# Altium PCB ZYNQ_JTY_16CH.PcbDoc (part 3 of 5)
Units mm, origin at the board's own origin, x right, y up, seen from the top; angles counter-clockwise.
Board outline 164 x 124.5 mm, 4 copper layers (Top1, GND2, PWR3, Bottom4), stack 0.568 mm thick; 525 components, 438 nets, 2202 pads, 1379 vias.
Unrouted connection lines stored in the file: 13.
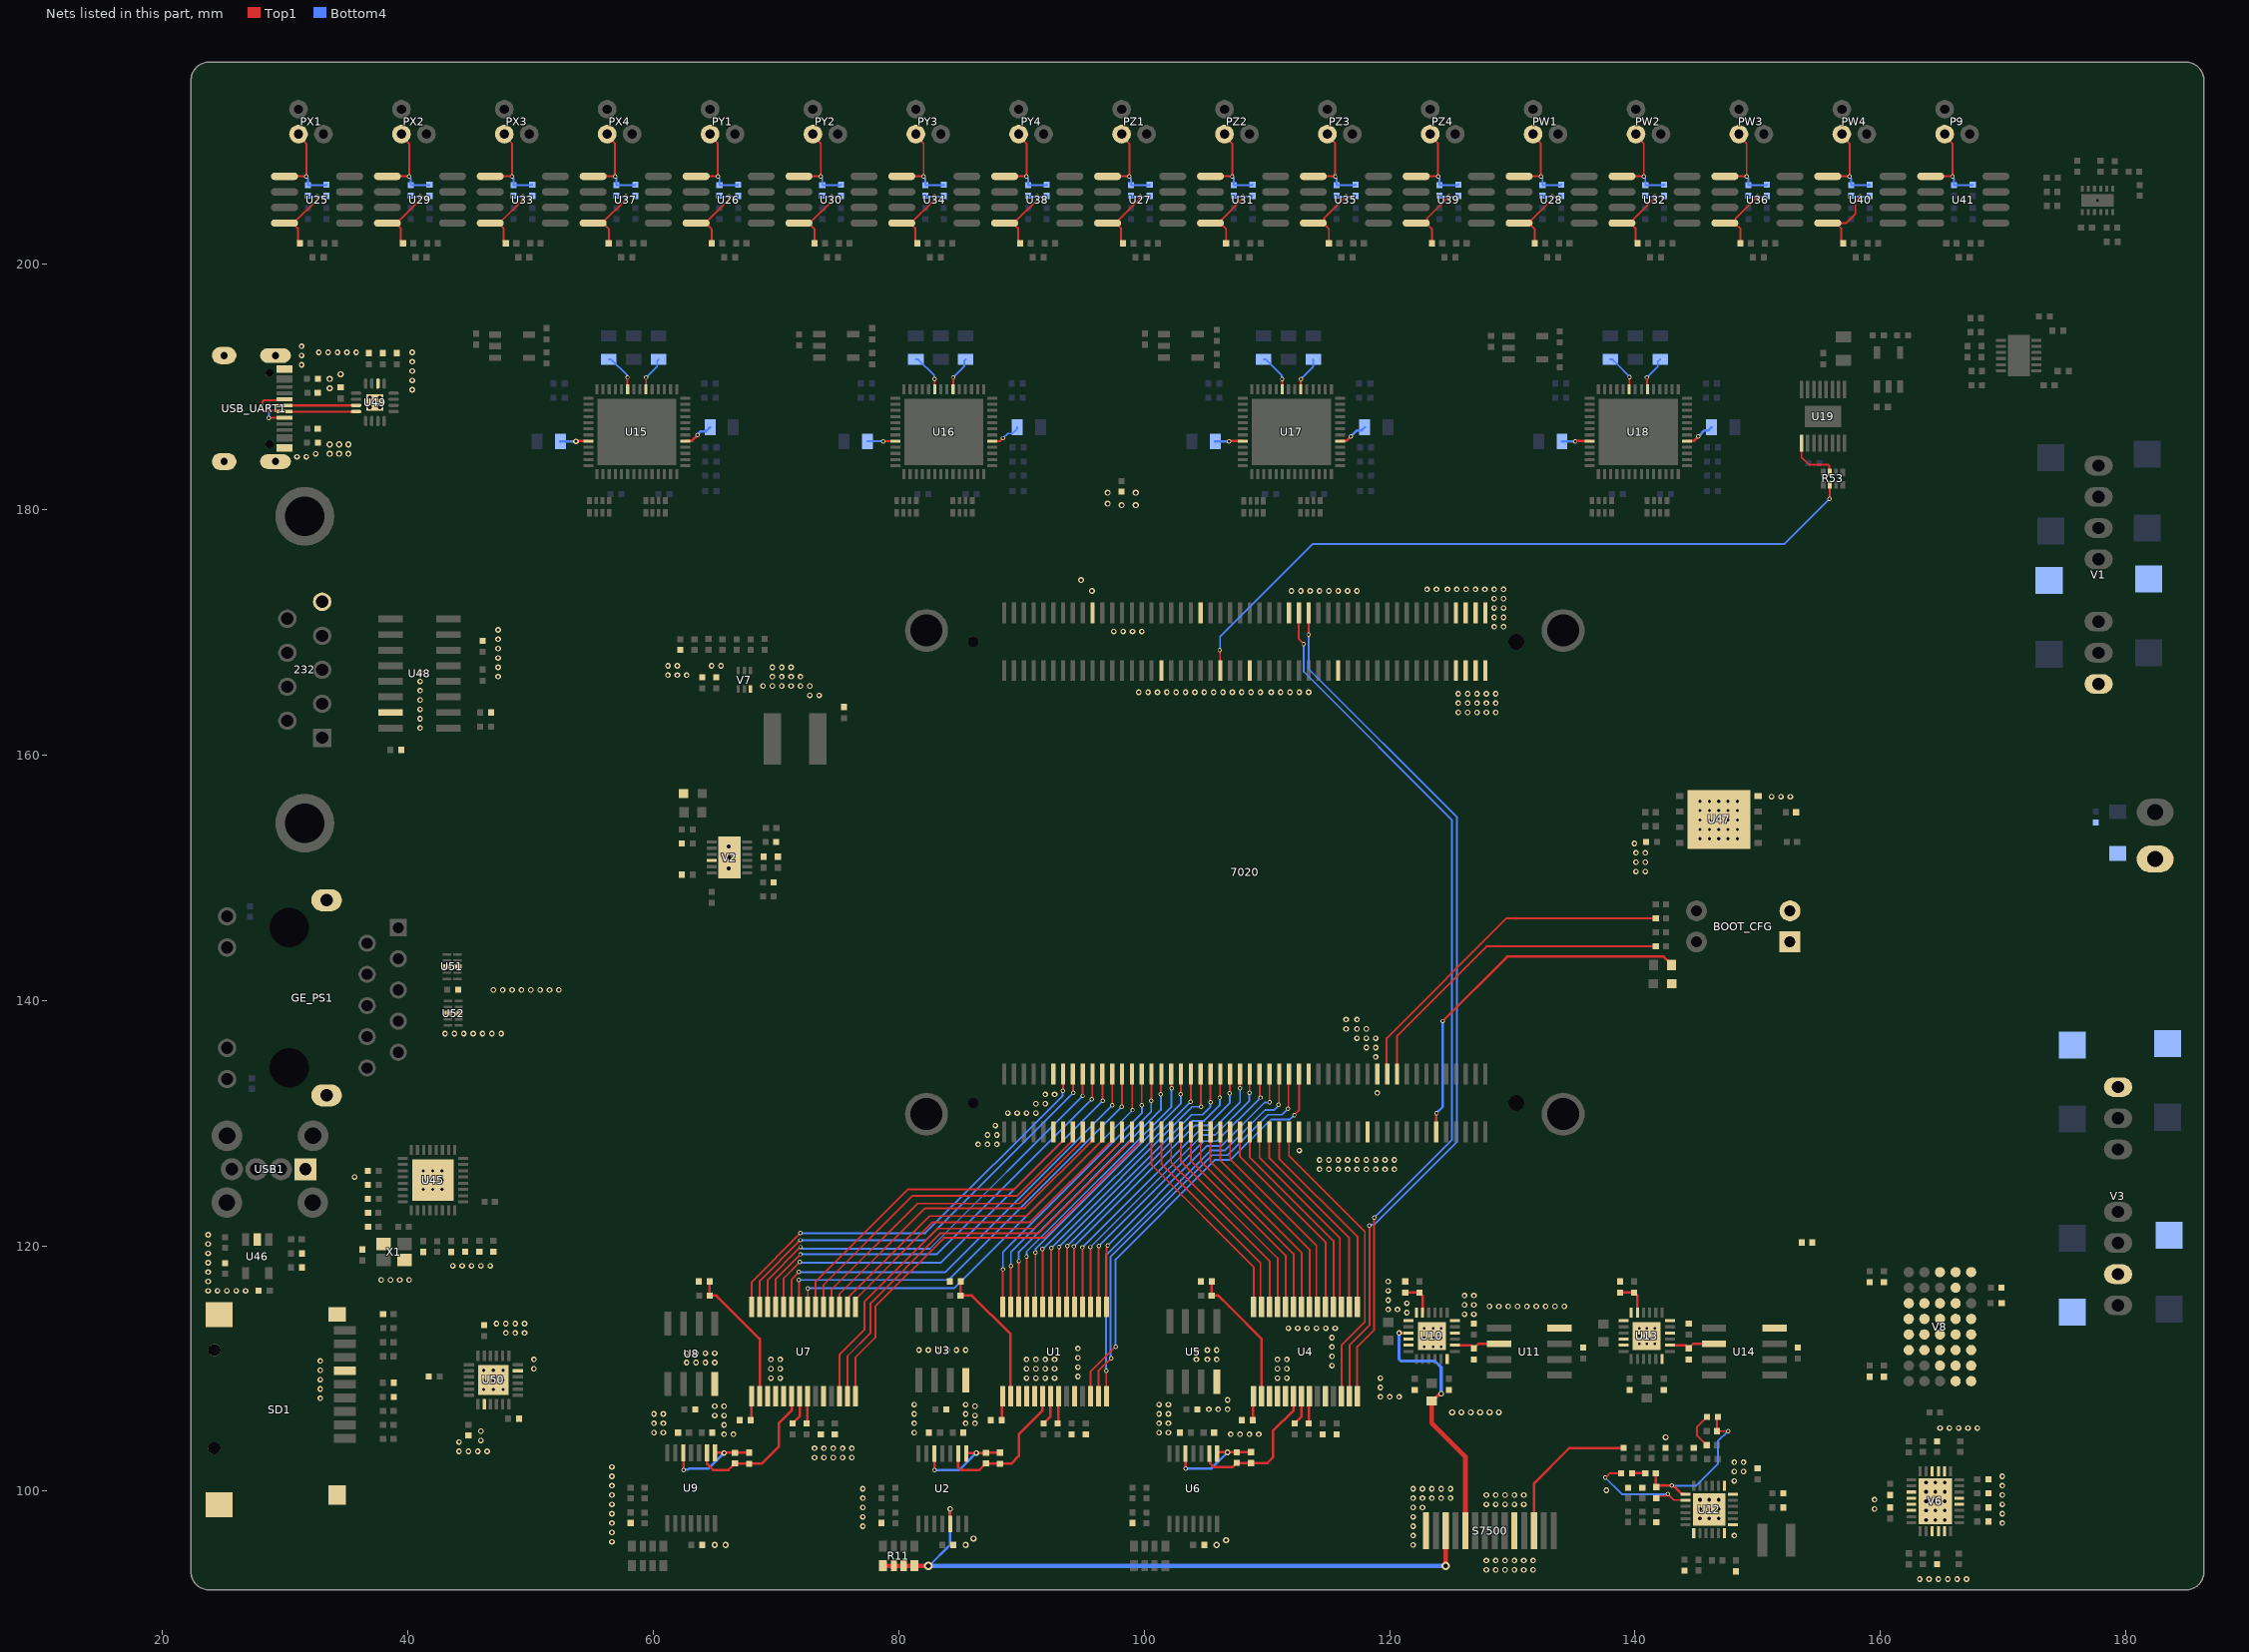
[diagram p5: the nets of this part, all layers, seen from the top]

## Via types
v1: diameter 0.457, hole 0.254, Top1 to Bottom4, tented both sides, 707 vias
v2: diameter 0.356, hole 0.203, Top1 to Bottom4, tented both sides, 314 vias
v3: diameter 0.559, hole 0.305, Top1 to Bottom4, tented both sides, 261 vias
v4: diameter 0.508, hole 0.279, Top1 to Bottom4, tented both sides, 40 vias
v5: diameter 0.66, hole 0.356, Top1 to Bottom4, tented both sides, 18 vias
v6: diameter 0.711, hole 0.381, Top1 to Bottom4, tented both sides, 14 vias
v7: diameter 0.61, hole 0.305, Top1 to Bottom4, tented both sides, 12 vias
v8: diameter 0.61, hole 0.254, Top1 to Bottom4, tented both sides, 9 vias
v9: diameter 0.508, hole 0.305, Top1 to Bottom4, tented both sides, 4 vias

## Nets (pads, with @x,y where several pads share a name; then routed paths per layer and width w, separated by ;. In a path a pad name is that pad's centre, name@x,y a point inside that pad or via, vN(x,y) a via of type N, cw(c..) or ccw(c..) an arc to the next point about the centre after c; other vN are vias at no path point) (continued)
AGND2: C1.2 C5.1 C6.1 C7.1 C8.1 C9.1 C10.1 C11.2 C15.1 C16.1 C17.1 C18.1 C19.1 C20.1 C21.2 C25.1 C26.1 C27.1 C28.1 C29.1 C30.1 C31.2 C34.1 C35.1 C36.1 C38.1 C39.1 C40.2 C41.1 C42.2 C43.1 C44.1 C45.1 C46.1 C47.1 C48.1 C49.1 C50.1 C51.1 C213.1 C214.1 C215.1 C216.1 C226.2 C227.2 C228.2 C229.2 C230.2 C262.1 C263.1 E5.2 E6.2 R9.1 R10.1 R14.1 R18.1 R19.1 R26.1 R27.1 R32.1 R34.1 R48.1 R49.1 R123.1 R124.1 R138.1 S7500.5 S7500.14 U1.17 U1.18 U1.19 U1.24 U3.4 U4.17 U4.18 U4.19 U4.24 U5.4 U7.17 U7.18 U7.19 U7.24 U8.4 U10.1 U10.4 U10.5 U10.12 U10.16 U10.18 U10.24 U10.25 U11.4 U12.7 U12.12 U12.13 U12.18 U12.19 U12.25 U13.1 U13.4 U13.5 U13.12 U13.16 U13.18 U13.24 U13.25 U14.4 V3.7 V6.3 V6.4 V6.5 V6.6 V6.11 V6.12 V6.13 V6.18 V6.19 V6.24 V6.25 V6.26 V6.29 V8.A1 V8.A2 V8.B1 V8.B2 V8.B3 V8.C1 V8.C2 V8.C3 V8.C4 V8.C5 V8.D1 V8.D2 V8.D3 V8.D4 V8.D5 V8.E1 V8.E2 V8.E3 V8.E4 V8.E5 V8.F2 V8.F3 V8.F4 V8.F5 V8.G2 V8.H1 V8.H2 V8.H3
  other v1: 163.195,92.837 163.957,92.837 164.719,92.837 165.481,92.837 166.243,92.837 167.005,92.837 127.889,93.599 128.651,93.599 129.413,93.599 130.175,93.599 130.937,93.599 131.699,93.599 127.889,94.361 128.651,94.361 129.413,94.361 130.175,94.361 130.937,94.361 131.699,94.361 121.92,95.631 56.642,95.885 121.92,96.393 148.082,96.393 56.642,96.647 77.089,97.155 121.92,97.155 56.642,97.409 169.926,97.409 77.089,97.917 121.92,97.917 56.642,98.171 169.926,98.171 159.512,98.552 77.089,98.679 121.92,98.679 122.682,98.679 56.642,98.933 127.889,98.933 128.651,98.933 129.413,98.933 130.175,98.933 130.937,98.933 169.926,98.933 159.512,99.314 77.089,99.441 121.92,99.441 122.682,99.441 123.444,99.441 124.206,99.441 124.968,99.441 56.642,99.695 127.889,99.695 128.651,99.695 129.413,99.695 130.175,99.695 130.937,99.695 169.926,99.695 137.668,100.076 77.089,100.203 121.92,100.203 122.682,100.203 123.444,100.203 124.206,100.203 124.968,100.203 56.642,100.457 169.926,100.457 148.082,100.838 56.642,101.219 169.926,101.219 148.082,101.6 148.844,101.6 56.642,101.981 148.082,102.362 148.844,102.362 73.152,102.743 73.914,102.743 74.676,102.743 75.438,102.743 76.2,102.743 73.152,103.505 73.914,103.505 74.676,103.505 75.438,103.505 76.2,103.505 65.786,104.648 66.548,104.648 107.061,104.648 107.823,104.648 108.585,104.648 109.347,104.648 60.071,104.775 60.833,104.775 81.28,104.775 101.219,104.775 101.981,104.775 164.846,105.156 165.608,105.156 166.37,105.156 167.132,105.156 167.894,105.156 65.786,105.41 60.071,105.537 60.833,105.537 81.28,105.537 85.471,105.537 86.233,105.537 101.219,105.537 101.981,105.537 65.024,106.172 65.786,106.172 86.233,106.172 60.071,106.299 60.833,106.299 81.28,106.299 85.471,106.299 101.219,106.299 101.981,106.299 105.283,106.68 106.045,106.68 106.807,106.68 65.024,106.934 65.786,106.934 86.233,106.934 81.28,107.061 85.471,107.061 101.219,107.061 101.981,107.061 106.807,107.442 119.253,107.696 120.015,107.696 120.777,107.696 119.253,108.458 69.596,109.22 70.358,109.22 90.424,109.22 91.186,109.22 91.948,109.22 92.71,109.22 110.871,109.22 111.633,109.22 119.253,109.22 94.615,109.347 69.596,109.982 70.358,109.982 90.424,109.982 91.186,109.982 91.948,109.982 92.71,109.982 110.871,109.982 111.633,109.982 94.615,110.109 115.316,110.236 62.738,110.49 63.5,110.49 64.262,110.49 65.024,110.49 69.596,110.744 70.358,110.744 90.424,110.744 91.186,110.744 91.948,110.744 92.71,110.744 104.267,110.744 105.156,110.744 105.918,110.744 110.871,110.744 111.633,110.744 94.615,110.871 115.316,110.998 62.738,111.252 63.5,111.252 64.262,111.252 65.024,111.252 81.661,111.506 82.423,111.506 83.185,111.506 83.947,111.506 84.709,111.506 85.471,111.506 104.267,111.506 105.156,111.506 105.918,111.506 94.615,111.633 115.316,111.76 115.316,112.522 111.76,113.284 112.522,113.284 113.284,113.284 114.046,113.284 114.808,113.284 115.57,113.284 126.111,114.427 126.873,114.427 121.412,114.554 119.888,114.808 120.65,114.808 128.143,115.062 128.905,115.062 129.667,115.062 130.429,115.062 131.191,115.062 131.953,115.062 132.715,115.062 133.477,115.062 134.239,115.062 126.111,115.189 126.873,115.189 121.412,115.316 119.888,115.57 126.111,115.951 126.873,115.951 119.888,116.332 119.888,117.094
  other v2: 122.809,111.76 123.571,111.76 124.206,111.76 140.335,112.014 140.97,112.014 141.605,112.014 122.809,112.522 123.571,112.522 124.206,112.522 140.335,112.649 140.945,112.649 141.605,112.649 122.809,113.284 123.571,113.284 124.206,113.284 140.335,113.284 140.97,113.284 141.605,113.284
  other v3: 163.703,97.663 164.465,97.663 165.227,97.663 145.288,97.79 146.05,97.79 146.812,97.79 163.703,98.425 164.465,98.425 165.227,98.425 146.038,98.514 145.288,98.552 146.812,98.552 163.703,99.187 164.465,99.187 165.227,99.187 145.288,99.314 146.05,99.314 146.812,99.314 163.703,99.949 164.465,99.949 165.227,99.949 163.703,100.711 164.465,100.711 165.227,100.711
  other v4: 65.024,95.631 65.913,95.631 85.471,95.631 105.918,95.631 106.68,96.012 86.106,96.139 142.494,104.394 125.095,106.426 125.857,106.426 126.619,106.426 127.381,106.426 128.143,106.426 128.905,106.426
BOOT_MODE1: 7020.J2_79 R4.2 | length 28.9
  Top1 w0.152: 7020.J2_79@119.811,133.985 119.761,134.035 119.761,136.906 129.54,146.685 R4.2@141.688,146.685
BOOT_MODE2: 7020.J2_81 R3.2 | length 27.2
  Top1 w0.152: 7020.J2_81@120.612,133.985 120.612,137.122 127.889,144.399 R3.2@141.688,144.399
CH343_N: U49.8 USB_UART1.5 USB_UART1.7 | length 10.2
  Top1 w0.152: USB_UART1.5@29.98,188.964 29.907,188.89 28.283,188.89 28.194,188.801 28.194,188.127 28.283,188.038 29.907,188.038 USB_UART1.7@29.98,187.964 29.983,187.967 35.805,187.967 U49.8@35.808,187.97
CH343_P: U49.7 USB_UART1.6 USB_UART1.8 | length 9.4
  Top1 w0.152: v2(28.702,187.452) 28.708,187.458 29.974,187.458 USB_UART1.8@29.98,187.464 ; v2(28.702,188.468) 28.704,188.466 29.978,188.466 USB_UART1.6@29.98,188.464
  Top1 w0.203: USB_UART1.6@29.98,188.464 29.983,188.467 35.805,188.467 U49.7@35.808,188.47
  Bottom4 w0.152: v2(28.702,187.452) v2(28.702,188.468)
CLKA: 7020.J2_61 U1.26 | length 34.9
  Top1 w0.152: U1.26@95.636,107.747 95.636,109.736 97.66,111.76 v2(97.69,111.76) ; v2(112.235,130.65) 112.235,130.663 112.63,131.058 112.63,133.966 7020.J2_61@112.611,133.985
  Bottom4 w0.152: v2(97.69,111.76) 97.69,118.899 105.791,127 107.061,127 110.363,130.302 111.887,130.302 v2(112.235,130.65)
CLKB: 7020.J2_26 U7.26 | length 35.7
  Top1 w0.152: U7.26@75.189,107.747 75.184,107.752 75.184,111.125 77.216,113.157 77.216,115.443 83.185,121.412 91.012,121.412 98.21,128.61 7020.J2_26@98.21,129.285
CLKC: 7020.J2_60 U4.26 | length 24.9
  Top1 w0.152: 7020.J2_60@111.81,129.285 111.81,127.331 117.983,121.158 117.983,113.792 116.083,111.892 U4.26@116.083,107.747
CNV: R53.3 U19.9 | length 4.3
  Top1 w0.152: U19.9@153.571,185.395 153.571,184.249 154.178,183.642 155.74,183.642 155.829,183.553 155.829,183.049 R53.3@155.871,183.007
CNV9: 7020.J1_46 R53.6 | length 58.3
  Top1 w0.152: v2(106.172,168.529) 106.191,168.51 106.191,166.888 7020.J1_46@106.21,166.869 ; v2(155.829,180.848) 155.85,180.869 155.85,181.986 R53.6@155.871,182.007
  Bottom4 w0.152: v2(106.172,168.529) 106.197,168.554 106.197,169.647 113.715,177.165 152.146,177.165 v2(155.829,180.848)
DB0A: 7020.J2_29 U1.14 | length 23.7
  Top1 w0.152: U1.14@88.483,115.011 88.492,115.02 88.492,118.083 v2(88.501,118.092) ; 7020.J2_29@99.81,133.985 99.813,133.982 99.813,131.454 v2(99.816,131.451)
  Bottom4 w0.152: v2(88.501,118.092) 88.501,119.489 99.822,130.81 99.822,131.445 v2(99.816,131.451)
DB0B: 7020.J2_13 U7.14 | length 35.4
  Top1 w0.152: U7.14@68.036,115.011 68.036,117.058 v2(72.009,121.031) ; v2(93.392,132.635) 93.401,132.644 93.401,133.976 7020.J2_13@93.41,133.985
  Bottom4 w0.152: v2(72.009,121.031) 82.169,121.031 93.366,132.228 93.366,132.609 v2(93.392,132.635)
DB0C: 7020.J2_32 U4.14 | length 17.7
  Top1 w0.152: 7020.J2_32@100.61,129.285 100.61,126.593 108.93,118.273 U4.14@108.93,115.011 U4.14@108.939,115.02
DB1A: 7020.J2_31 U1.13 | length 23.7
  Top1 w0.152: U1.13@89.134,115.011 89.144,115.021 89.144,118.354 v2(89.154,118.364) ; v2(100.584,131.826) 100.597,131.839 100.597,133.972 7020.J2_31@100.61,133.985
  Bottom4 w0.152: v2(89.154,118.364) 89.154,119.507 100.584,130.937 v2(100.584,131.826)
DB1B: 7020.J2_15 U7.13 | length 35.6
  Top1 w0.152: U7.13@68.687,115.011 68.687,117.134 v2(72.009,120.456) ; 7020.J2_15@94.21,133.985 94.222,133.973 94.222,132.473 v2(94.234,132.461)
  Bottom4 w0.152: v2(72.009,120.456) 82.229,120.456 v2(94.234,132.461)
DB1C: 7020.J2_34 U4.13 | length 17.5
  Top1 w0.152: 7020.J2_34@101.41,129.285 101.41,126.682 109.487,118.605 U4.13@109.487,115.105 ; U4.13@109.581,115.011 U4.13@109.591,115.021
DB2A: 7020.J2_33 U1.12 | length 23.8
  Top1 w0.152: U1.12@89.784,115.011 89.786,115.014 89.786,118.742 v2(89.789,118.745) ; v2(101.362,132.35) 101.386,132.374 101.386,133.961 7020.J2_33@101.41,133.985
  Bottom4 w0.152: v2(89.789,118.745) 89.789,119.507 101.362,131.08 v2(101.362,132.35)
DB2B: 7020.J2_17 U7.12 | length 36
  Top1 w0.152: U7.12@69.337,115.011 69.337,117.209 v2(72.012,119.885) ; v2(94.996,132.207) 95.003,132.214 95.003,133.978 7020.J2_17@95.01,133.985
  Bottom4 w0.152: v2(72.012,119.885) 72.067,119.885 72.191,119.761 82.55,119.761 v2(94.996,132.207)
DB2C: 7020.J2_36 U4.12 | length 17.6
  Top1 w0.152: 7020.J2_36@102.21,129.285 102.21,126.771 110.231,118.75 U4.12@110.231,115.011 U4.12@110.233,115.014
DB3A: 7020.J2_35 U1.11 | length 23.9
  Top1 w0.152: U1.11@90.434,115.011 v2(90.434,119.116) ; 7020.J2_35@102.21,133.985 102.223,133.973 102.223,132.854 v2(102.235,132.842)
  Bottom4 w0.152: v2(90.434,119.116) 90.434,119.517 102.235,131.318 v2(102.235,132.842)
DB3B: 7020.J2_19 U7.11 | length 36.2
  Top1 w0.152: U7.11@69.987,115.011 69.987,117.285 v2(72.012,119.31) ; v2(95.758,131.953) 95.784,131.979 95.784,133.959 7020.J2_19@95.81,133.985
  Bottom4 w0.152: v2(72.012,119.31) 83.115,119.31 v2(95.758,131.953)
DB3C: 7020.J2_38 U4.11 | length 17.5
  Top1 w0.152: 7020.J2_38@103.01,129.285 103.01,126.86 110.881,118.989 U4.11@110.881,115.011
DB4A: 7020.J2_37 U1.10 | length 23.9
  Top1 w0.152: U1.10@91.084,115.011 91.147,115.074 v2(91.147,119.468) ; v2(102.997,132.334) 103.003,132.34 103.003,133.979 7020.J2_37@103.01,133.985
  Bottom4 w0.152: v2(91.147,119.468) 91.155,119.476 91.155,119.73 102.997,131.572 v2(102.997,132.334)
DB4B: 7020.J2_21 U7.10 | length 36.6
  Top1 w0.152: U7.10@70.637,115.011 70.637,117.36 v2(71.952,118.675) ; 7020.J2_21@96.61,133.985 96.629,133.967 96.629,131.844 v2(96.647,131.826)
  Bottom4 w0.152: v2(71.952,118.675) 71.991,118.636 72.125,118.636 72.143,118.618 83.439,118.618 v2(96.647,131.826)
DB4C: 7020.J2_40 U4.10 | length 17.6
  Top1 w0.152: 7020.J2_40@103.81,129.285 103.81,126.949 111.531,119.228 111.531,115.074 U4.10@111.531,115.011 U4.10@111.594,115.074
DB5A: 7020.J2_39 U1.9 | length 24
  Top1 w0.152: v2(91.727,119.728) 91.731,119.724 91.731,115.015 U1.9@91.735,115.011 ; v2(103.81,131.75) 7020.J2_39@103.81,133.985
  Bottom4 w0.152: v2(91.727,119.728) 91.758,119.728 103.78,131.75 v2(103.81,131.75)
DB5B: 7020.J2_23 U7.9 | length 36.8
  Top1 w0.152: U7.9@71.288,115.011 71.288,117.262 v2(71.882,117.856) ; v2(97.409,131.445) 7020.J2_23@97.41,133.985
  Bottom4 w0.152: v2(71.882,117.856) 83.82,117.856 v2(97.409,131.445)
DB5C: 7020.J2_42 U4.9 | length 17.4
  Top1 w0.152: 7020.J2_42@104.61,129.285 104.61,126.911 112.182,119.339 U4.9@112.182,115.011 U4.9@112.178,115.015
DB6A: 7020.J2_41 U1.8 | length 24.5
  Top1 w0.152: U1.8@92.385,115.011 92.435,115.062 v2(92.435,119.831) ; 7020.J2_41@104.61,133.985 104.624,133.971 104.624,131.342 v2(104.639,131.327)
  Bottom4 w0.152: v2(92.435,119.831) 103.932,131.327 v2(104.639,131.327)
DB6B: 7020.J2_25 U7.8 | length 37
  Top1 w0.152: v2(71.886,117.217) 71.882,117.213 71.882,115.067 U7.8@71.938,115.011 ; v2(98.171,131.318) 98.191,131.338 98.191,133.965 7020.J2_25@98.21,133.985
  Bottom4 w0.152: v2(71.886,117.217) 84.07,117.217 v2(98.171,131.318)
DB6C: 7020.J2_44 U4.8 | length 17.4
  Top1 w0.152: 7020.J2_44@105.41,129.285 105.41,126.873 112.832,119.451 U4.8@112.832,115.011 U4.8@112.882,115.062
DB7A: 7020.J2_43 U1.7 | length 24.6
  Top1 w0.152: U1.7@93.035,115.011 93.057,115.033 93.057,119.878 v2(93.079,119.9) ; v2(105.41,131.699) 7020.J2_43@105.41,133.985
  Bottom4 w0.152: v2(93.079,119.9) 103.862,130.683 104.775,130.683 105.41,131.318 v2(105.41,131.699)
DB7B: 7020.J2_27 U7.7 | length 36.9
  Top1 w0.152: U7.7@72.588,115.011 72.604,115.027 72.604,116.52 v2(72.62,116.536) ; 7020.J2_27@99.01,133.985 99.035,133.96 99.035,131.089 v2(99.06,131.064)
  Bottom4 w0.152: v2(72.62,116.536) 84.532,116.536 v2(99.06,131.064)
DB7C: 7020.J2_46 U4.7 | length 17.3
  Top1 w0.152: 7020.J2_46@106.21,129.285 106.21,126.962 113.482,119.69 U4.7@113.482,115.011 U4.7@113.504,115.033
DB8A: 7020.J2_45 U1.6 | length 24.7
  Top1 w0.152: U1.6@93.685,115.011 93.716,115.042 93.716,119.962 v2(93.748,119.993) ; v2(106.172,132.08) 106.191,132.099 106.191,133.966 7020.J2_45@106.21,133.985
  Bottom4 w0.152: v2(93.748,119.993) 103.929,130.175 104.902,130.175 106.172,131.445 v2(106.172,132.08)
DB8B: 7020.J2_14 U7.6 | length 27.7
  Top1 w0.152: U7.6@73.238,115.011 73.238,117.091 80.734,124.587 89.387,124.587 93.41,128.61 7020.J2_14@93.41,129.285
DB8C: 7020.J2_48 U4.6 | length 17.1
  Top1 w0.152: 7020.J2_48@107.01,129.285 107.01,127.051 114.046,120.015 U4.6@114.046,115.098 ; U4.6@114.132,115.011 U4.6@114.163,115.042
DB9A: 7020.J2_47 U1.5 | length 24.9
  Top1 w0.152: v2(94.289,119.96) 94.312,119.937 94.312,115.035 U1.5@94.336,115.011 ; v2(106.972,132.427) 106.991,132.446 106.991,133.966 7020.J2_47@107.01,133.985
  Bottom4 w0.152: v2(94.289,119.96) 104.123,129.794 105.156,129.794 106.972,131.61 v2(106.972,132.427)
DB9B: 7020.J2_16 U7.5 | length 27.7
  Top1 w0.152: U7.5@73.889,115.011 73.889,116.815 81.153,124.079 89.679,124.079 94.21,128.61 7020.J2_16@94.21,129.285
DB9C: 7020.J2_50 U4.5 | length 17.2
  Top1 w0.152: 7020.J2_50@107.81,129.285 107.81,127.267 114.783,120.294 U4.5@114.783,115.011 U4.5@114.759,115.035
DB10A: 7020.J2_49 U1.4 | length 24.9
  Top1 w0.152: U1.4@94.986,115.011 v2(94.986,119.878) ; 7020.J2_49@107.81,133.985 107.817,133.979 107.817,132.848 v2(107.823,132.842)
  Bottom4 w0.152: v2(94.986,119.878) 104.521,129.413 105.537,129.413 107.823,131.699 v2(107.823,132.842)
DB10B: 7020.J2_18 U7.4 | length 27.6
  Top1 w0.152: U7.4@74.539,115.011 74.539,116.449 81.534,123.444 89.844,123.444 95.01,128.61 7020.J2_18@95.01,129.285
DB10C: 7020.J2_52 U4.4 | length 17.1
  Top1 w0.152: 7020.J2_52@108.61,129.285 108.61,127.229 115.433,120.406 U4.4@115.433,115.011
DB11A: 7020.J2_51 U1.3 | length 24.9
  Top1 w0.152: U1.3@95.636,115.011 v2(95.636,119.883) ; v2(108.585,132.461) 108.598,132.474 108.598,133.972 7020.J2_51@108.61,133.985
  Bottom4 w0.152: v2(95.636,119.883) 104.784,129.032 105.791,129.032 108.585,131.826 v2(108.585,132.461)
DB11B: 7020.J2_20 U7.3 | length 27.6
  Top1 w0.152: U7.3@75.189,115.011 75.189,116.083 82.169,123.063 90.263,123.063 95.81,128.61 7020.J2_20@95.81,129.285
DB11C: 7020.J2_54 U4.3 | length 16.9
  Top1 w0.152: 7020.J2_54@109.41,129.285 109.41,127.191 115.951,120.65 U4.3@115.951,115.143
DB12A: 7020.J2_53 U1.2 | length 25.1
  Top1 w0.152: U1.2@96.286,115.011 96.286,119.959 v2(96.304,119.977) ; 7020.J2_53@109.41,133.985 109.442,133.953 109.442,132.112 v2(109.474,132.08)
  Bottom4 w0.152: v2(96.304,119.977) 104.851,128.524 105.918,128.524 v2(109.474,132.08)
DB12B: 7020.J2_22 U7.2 | length 27.5
  Top1 w0.152: U7.2@75.839,115.011 75.979,115.151 75.979,115.865 82.542,122.428 90.428,122.428 96.61,128.61 7020.J2_22@96.61,129.285
DB12C: 7020.J2_56 U4.2 | length 16.9
  Top1 w0.152: 7020.J2_56@110.21,129.285 110.21,127.153 116.713,120.65 U4.2@116.713,115.032
DB13A: 7020.J2_55 U1.1 | length 25.4
  Top1 w0.152: U1.1@96.937,115.011 96.937,119.869 97.028,119.96 v2(97.028,120.015) ; 7020.J2_55@110.21,133.985 110.223,133.972 110.223,131.712 v2(110.236,131.699)
  Bottom4 w0.152: v2(97.028,120.015) 105.156,128.143 106.299,128.143 109.83,131.674 110.211,131.674 v2(110.236,131.699)
DB13B: 7020.J2_24 U7.1 | length 27.6
  Top1 w0.152: U7.1@76.49,115.011 76.49,115.621 82.789,121.92 90.72,121.92 97.41,128.61 7020.J2_24@97.41,129.285
DB13C: 7020.J2_58 U4.1 | length 16.9
  Top1 w0.152: 7020.J2_58@111.01,129.285 111.01,127.115 117.384,120.741 U4.1@117.384,115.011
DB14A: 7020.J2_57 U1.28 | length 33.2
  Top1 w0.152: v2(96.908,109.816) 96.922,109.802 96.922,107.761 U1.28@96.937,107.747 ; v2(110.965,131.478) 110.987,131.501 110.987,133.962 7020.J2_57@111.01,133.985
  Bottom4 w0.152: v2(96.908,109.816) 96.908,119.26 105.41,127.762 106.553,127.762 109.855,131.064 110.617,131.064 110.725,131.172 110.725,131.184 110.965,131.423 v2(110.965,131.478)
DB14B: 7020.J2_30 U7.28 | length 36
  Top1 w0.152: U7.28@76.49,107.747 76.49,110.907 78.105,112.522 78.105,115.062 83.693,120.65 91.85,120.65 99.81,128.61 7020.J2_30@99.81,129.285
DB14C: 7020.J1_61 U4.28 | length 72.2
  Top1 w0.152: 7020.J1_61@112.61,171.569 112.61,169.431 v2(113.005,169.037) ; U4.28@117.384,107.747 117.366,107.765 117.366,111.778 118.745,113.157 v2(118.745,122.301)
  Bottom4 w0.152: v2(113.005,169.037) 113.005,166.776 125.095,154.686 125.095,128.651 v2(118.745,122.301)
DB15A: 7020.J2_59 U1.27 | length 34.1
  Top1 w0.152: U1.27@96.286,107.747 96.286,109.812 v2(97.315,110.84) ; v2(111.727,131.158) 111.76,131.191 111.76,133.935 7020.J2_59@111.81,133.985
  Bottom4 w0.152: v2(97.315,110.84) 97.283,110.872 97.283,119.127 105.537,127.381 106.807,127.381 110.109,130.683 111.252,130.683 v2(111.727,131.158)
DB15B: 7020.J2_28 U7.27 | length 35.8
  Top1 w0.152: U7.27@75.839,107.747 75.839,111.018 77.724,112.903 77.724,115.316 83.439,121.031 91.431,121.031 99.01,128.61 7020.J2_28@99.01,129.285
DB15C: 7020.J1_63 U4.27 | length 72.7
  Top1 w0.152: v2(113.411,169.799) 7020.J1_63@113.41,171.569 ; U4.27@116.733,107.747 116.733,111.907 118.364,113.538 118.364,121.641 v2(118.339,121.666)
  Bottom4 w0.152: v2(113.411,169.799) 113.411,167.005 125.476,154.94 125.476,128.457 118.724,121.705 118.377,121.705 v2(118.339,121.666)
FB-: R41.1 S7500.3 | length 12.4
  Top1 w0.203: S7500.3@131.775,96.774 131.775,100.66 134.62,103.505 R41.1@139.072,103.505
GAIN: R33.2 S7500.10 U10.3 | length 21.5
  Top1 w0.254: v1(120.777,112.903) 120.781,112.899 U10.3@121.552,112.899 ; R33.2@123.444,107.352 123.494,107.352 124.053,107.911 124.167,107.911 v1(124.206,107.95)
  Top1 w0.381: R33.2@123.444,107.352 123.444,105.537 126.175,102.806 S7500.10@126.175,96.774
  Bottom4 w0.254: v1(120.777,112.903) 120.777,110.766 120.926,110.617 123.698,110.617 124.206,110.109 v1(124.206,107.95)
GND: 232.5 7020.J1_19 7020.J1_34 7020.J1_41 7020.J1_52 7020.J1_59 7020.J1_70 7020.J1_93 7020.J1_94 7020.J1_95 7020.J1_96 7020.J1_97 7020.J1_98 7020.J1_99 7020.J1_100 7020.J2_11 7020.J2_12 7020.J2_62 7020.J2_63 7020.J2_76 7020.J2_77 BOOT_CFG.1 BOOT_CFG.2 C198.2 C199.2 C202.2 C203.2 C217.1 C219.1 C220.1 C231.1 C232.1 C233.1 C234.1 C235.1 C236.1 C237.1 C238.1 C239.1 C240.1 C241.1 C242.1 C243.2 C244.2 C246.2 C248.2 C249.1 C250.2 C251.1 C252.1 C253.2 C254.2 C255.2 C256.2 C257.2 C258.2 C259.2 C260.2 C261.1 DC_IN.2 E3.2 E4.2 E7.2 E8.2 E10.2 GE_PS1.15 GE_PS1.16 LED1.2 LED2.2 R14.2 R58.2 R114.1 R115.1 R130.1 R139.2 R143.1 R146.2 R149.2 R156.2 R157.1 R159.1 R160.2 SD1.0 SD1.6 U45.33 U46.2 U47.4 U47.9 U48.15 U49.0 U49.2 U50.2 U50.11 U50.25 U51.3 U51.8 U52.3 U52.8 USB1.1 USB_UART1.1 USB_UART1.12 USB_UART1.SH1 USB_UART1.SH2 USB_UART1.SH3 USB_UART1.SH4 V1.1 V2.4 V2.13 V3.1 V7.3 X1.2 X1.4
  other v1: 44.196,103.251 44.958,103.251 45.72,103.251 46.482,103.251 44.196,104.013 45.974,104.14 45.974,104.902 32.893,107.569 32.893,108.331 32.893,109.093 32.893,109.855 50.292,109.982 32.893,110.617 50.292,110.744 48.006,112.903 48.768,112.903 49.53,112.903 47.244,113.665 48.006,113.665 48.768,113.665 49.53,113.665 23.749,116.332 24.511,116.332 25.273,116.332 26.035,116.332 26.797,116.332 23.749,117.094 37.846,117.221 38.608,117.221 39.37,117.221 40.132,117.221 23.749,117.856 43.688,118.364 44.45,118.364 45.212,118.364 45.974,118.364 46.736,118.364 23.749,118.618 23.749,119.38 23.749,120.142 23.749,120.904 35.687,125.603 114.3,126.238 115.062,126.238 115.824,126.238 116.586,126.238 117.348,126.238 118.11,126.238 118.872,126.238 119.634,126.238 120.396,126.238 114.3,127 115.062,127 115.824,127 116.586,127 117.348,127 118.11,127 118.872,127 119.634,127 120.396,127 112.649,127.762 86.487,128.27 87.249,128.27 88.011,128.27 87.249,129.032 88.011,129.032 87.884,129.794 88.9,130.81 89.662,130.81 90.424,130.81 91.186,130.81 91.186,131.572 91.948,131.572 91.948,132.334 92.71,132.334 118.999,132.461 118.872,135.382 118.11,136.144 118.872,136.144 117.348,136.906 118.11,136.906 118.872,136.906 43.053,137.287 43.815,137.287 44.577,137.287 45.339,137.287 46.101,137.287 46.863,137.287 47.625,137.287 116.459,137.668 117.348,137.668 118.11,137.668 116.459,138.43 117.348,138.43 46.99,140.843 47.752,140.843 48.514,140.843 49.276,140.843 50.038,140.843 50.8,140.843 51.562,140.843 52.324,140.843 140.081,150.495 140.843,150.495 140.081,151.257 140.843,151.257 140.081,152.019 140.843,152.019 139.954,152.781 145.288,153.162 146.05,153.162 146.812,153.162 147.574,153.162 148.336,153.162 145.288,153.924 146.05,153.924 146.812,153.924 147.574,153.924 148.336,153.924 145.288,154.686 146.05,154.686 147.574,154.686 148.336,154.686 146.837,154.737 145.288,155.448 146.05,155.448 146.812,155.448 147.574,155.448 148.336,155.448 145.288,156.21 146.05,156.21 146.812,156.21 147.574,156.21 148.336,156.21 151.13,156.591 151.892,156.591 152.654,156.591 41.021,162.179 41.021,162.941 125.603,163.449 126.365,163.449 127.127,163.449 127.889,163.449 128.651,163.449 41.021,163.703 125.603,164.211 126.365,164.211 127.127,164.211 127.889,164.211 128.651,164.211 41.021,164.465 72.771,164.846 73.533,164.846 125.603,164.973 126.365,164.973 127.127,164.973 127.889,164.973 128.651,164.973 99.568,165.1 100.33,165.1 101.092,165.1 101.854,165.1 102.616,165.1 103.378,165.1 104.14,165.1 104.902,165.1 105.664,165.1 106.426,165.1 107.188,165.1 107.95,165.1 108.712,165.1 109.474,165.1 110.363,165.1 111.125,165.1 111.887,165.1 112.649,165.1 113.411,165.1 41.021,165.227 68.961,165.608 69.723,165.608 70.485,165.608 71.247,165.608 72.009,165.608 72.771,165.608 41.021,165.989 47.371,166.37 69.723,166.37 70.485,166.37 71.247,166.37 72.009,166.37 61.214,166.497 61.976,166.497 62.738,166.497 41.021,166.751 47.371,167.132 69.723,167.132 70.485,167.132 71.247,167.132 61.214,167.259 61.976,167.259 64.77,167.259 65.532,167.259 47.371,167.894 47.371,168.656 47.371,169.418 97.536,170.053 98.298,170.053 99.06,170.053 99.822,170.053 47.371,170.18 128.524,170.434 129.286,170.434 128.524,171.196 129.286,171.196 128.524,171.958 129.286,171.958 128.524,172.72 129.286,172.72 112.014,173.355 112.776,173.355 113.538,173.355 114.3,173.355 115.062,173.355 115.824,173.355 116.586,173.355 117.348,173.355 123.063,173.482 123.825,173.482 124.714,173.482 125.476,173.482 126.238,173.482 127,173.482 127.762,173.482 128.524,173.482 129.286,173.482 30.988,184.277 31.75,184.277 32.512,184.531 40.386,189.738 40.386,190.5 40.386,191.262 31.369,191.77 40.386,192.024 31.369,192.532 32.766,192.786 33.528,192.786 34.29,192.786 35.052,192.786 35.814,192.786 40.386,192.786 31.369,193.294
  other v4: 95.758,173.355 94.869,174.244 98.171,180.34 99.314,180.34 97.028,180.467 97.028,181.356 99.314,181.356 33.655,184.531 34.417,184.531 35.179,184.531 33.655,185.293 34.417,185.293 35.179,185.293 33.655,189.865 33.655,190.627 34.544,191.008
  other v7: 66.167,150.749 66.225,151.638 66.167,152.527
  other v8: 41.275,124.587 42.037,124.587 42.799,124.587 41.275,125.349 42.075,125.349 42.799,125.349 41.275,126.111 42.037,126.111 42.799,126.111
  other v9: 36.929,188.32 37.739,188.32 36.929,189.119 37.739,189.119
LED: 7020.J2_90 R5.1 | length 30.4
  Top1 w0.203: 7020.J2_90@123.812,129.285 123.819,129.291 123.819,130.804 v2(123.825,130.81) ; v2(124.333,138.303) 129.584,143.554 142.336,143.554 142.965,142.925 R5.1@142.965,142.875
  Bottom4 w0.203: v2(123.825,130.81) 124.333,131.318 v2(124.333,138.303)
LEFT: R11.1 R11.2 R11.3 R11.4 S7500.12 U2.12 | length 55.3
  Top1 w0.203: v1(84.201,98.552) 84.209,98.544 84.209,97.333 U2.12@84.216,97.325
  Top1 w0.381: R11.1@78.73,93.942 78.743,93.929 82.41,93.929 v6(82.423,93.916) ; v6@124.575,93.917 S7500.12@124.575,96.774
  Bottom4 w0.203: v6(82.423,93.916) 82.486,93.916 84.201,95.631 v1(84.201,98.552)
  Bottom4 w0.381: v6@82.486,93.916 v6(124.576,93.916)
NetC1_1: C1.1 U1.15 | length 2
  Top1 w0.203: C1.1@88.403,105.791 88.443,105.831 88.443,107.707 U1.15@88.483,107.747
NetC2_1: C2.1 R7.1 U1.20 U2.2 | length 12.3
  Top1 w0.203: U2.2@84.866,103.081 84.836,103.051 84.836,101.981 85.09,101.727 86.575,101.727 R7.1@87.122,102.274 87.136,102.26 88.251,102.26 C2.1@88.265,102.246 89.165,102.246 89.789,102.87 89.789,104.648 91.735,106.594 U1.20@91.735,107.747
NetC2_2: C2.2 R7.2 U2.1 U2.5 | length 8.1
  Top1 w0.203: U2.5@82.916,103.081 82.924,103.073 82.924,101.734 v2(82.931,101.727) ; U2.1@85.516,103.081 85.559,103.124 v1(86.341,103.124) R7.2@87.122,103.124 87.133,103.135 88.254,103.135 C2.2@88.265,103.146
  Bottom4 w0.203: v2(82.931,101.727) 84.944,101.727 v1(86.341,103.124)
NetC3_1: C3.1 U1.21 | length 2.4
  Top1 w0.203: C3.1@91.821,105.537 92.385,106.101 U1.21@92.385,107.747
NetC4_1: C4.1 U1.22 | length 2.2
  Top1 w0.203: C4.1@92.964,105.537 93,105.573 93,107.711 U1.22@93.035,107.747
NetC8_2: C8.2 R8.2 U1.16 | length 11.6
  Top1 w0.203: C8.2@85.073,117.094 85.062,117.083 85.062,115.962 R8.2@85.051,115.951 85.979,115.951 89.134,112.796 U1.16@89.134,107.747
NetC11_1: C11.1 U4.15 | length 2
  Top1 w0.203: C11.1@108.85,105.791 108.89,105.831 108.89,107.707 U4.15@108.93,107.747
NetC12_1: C12.1 U4.21 | length 2.4
  Top1 w0.203: C12.1@112.268,105.537 112.832,106.101 U4.21@112.832,107.747
NetC13_1: C13.1 R16.1 U4.20 U6.2 | length 12.1
  Top1 w0.203: U6.2@105.313,103.081 105.387,103.007 105.387,102.258 105.664,101.981 107.229,101.981 R16.1@107.569,102.321 107.583,102.307 108.698,102.307 C13.1@108.712,102.293 110.04,102.293 110.49,102.743 110.49,104.902 112.182,106.594 U4.20@112.182,107.747
NetC13_2: C13.2 R16.2 U6.1 U6.5 | length 8
  Top1 w0.203: U6.5@103.363,103.081 103.371,103.073 103.371,101.861 v2(103.378,101.854) ; U6.1@105.963,103.081 105.963,103.097 106.037,103.171 v1(106.803,103.171) R16.2@107.569,103.171 107.58,103.182 108.701,103.182 C13.2@108.712,103.193
  Bottom4 w0.203: v2(103.378,101.854) 105.486,101.854 v1(106.803,103.171)
NetC14_1: C14.1 U4.22 | length 2.2
  Top1 w0.203: C14.1@113.411,105.537 113.447,105.573 113.447,107.711 U4.22@113.482,107.747
NetC18_2: C18.2 R17.2 U4.16 | length 11.4
  Top1 w0.203: C18.2@105.52,117.094 105.509,117.083 105.509,115.962 R17.2@105.498,115.951 106.045,115.951 106.934,115.062 109.581,112.415 U4.16@109.581,107.747
NetC21_1: C21.1 U7.15 | length 2
  Top1 w0.203: C21.1@67.956,105.791 67.996,105.831 67.996,107.707 U7.15@68.036,107.747
NetC22_1: C22.1 U7.21 | length 2.4
  Top1 w0.203: C22.1@71.374,105.537 71.938,106.101 U7.21@71.938,107.747
NetC23_1: C23.1 U7.22 | length 2.2
  Top1 w0.203: C23.1@72.517,105.537 72.553,105.573 72.553,107.711 U7.22@72.588,107.747
NetC24_1: C24.1 R24.1 U7.20 U9.2 | length 12.3
  Top1 w0.203: U9.2@64.404,103.124 64.404,102.22 64.897,101.727 66.128,101.727 R24.1@66.675,102.274 66.688,102.261 67.805,102.261 C24.1@67.818,102.249 68.848,102.249 70.231,103.632 70.231,105.537 71.288,106.594 U7.20@71.288,107.747
NetC24_2: C24.2 R24.2 U9.1 U9.5 | length 8.1
  Top1 w0.203: U9.5@62.454,103.124 62.469,103.109 62.469,101.742 v2(62.484,101.727) ; U9.1@65.054,103.124 65.079,103.149 C24.2@67.818,103.149
  Bottom4 w0.203: v2(62.484,101.727) 62.513,101.756 62.847,101.756 62.919,101.829 64.491,101.829 v1(65.786,103.124)
NetC28_2: C28.2 R25.2 U7.16 | length 11.4
  Top1 w0.203: C28.2@64.626,117.094 64.615,117.083 64.615,115.962 R25.2@64.604,115.951 65.151,115.951 68.687,112.415 U7.16@68.687,107.747
NetC31_1: C31.1 L1.2 U10.23 | length 2.9
  Top1 w0.203: C31.1@121.285,116.194 L1.2@122.428,116.194 122.694,115.928 U10.23@122.694,114.541
NetC32_1: C32.1 C33.2 R37.2 R38.1 U12.1 | length 13.4
  Top1 w0.152: C33.2@146.754,106.045 146.685,105.976 R38.1@146.685,104.902 v2(147.574,104.902)
  Top1 w0.203: R37.2@141.693,101.473 141.712,101.454 141.712,100.361 C32.1@141.732,100.341 141.848,100.457 v2(143.002,100.457) 143.122,100.457 143.816,99.764 U12.1@144.095,99.764
  Bottom4 w0.152: v2(143.002,100.457) 144.974,100.457 146.75,102.233 146.75,104.078 v2(147.574,104.902)
NetC32_2: C32.2 C37.2 U12.2 | length 9.9
  Top1 w0.152: v2(137.566,101.125) 137.621,101.125 137.969,101.473 C37.2@138.977,101.473 ; C32.2@141.732,99.441 141.906,99.615 142.479,99.615 142.626,99.762 v2(142.681,99.762) 143.16,99.283 144.076,99.283 U12.2@144.095,99.264
  Bottom4 w0.152: v2(137.566,101.125) 138.929,99.762 v2(142.681,99.762)
NetC33_1: C33.1 R35.1 | length 3
  Top1 w0.152: R35.1@145.835,103.759 145.034,104.56 145.034,105.225 C33.1@145.854,106.045
NetC37_1: C37.1 R37.1 | length 1.1
  Top1 w0.203: C37.1@139.769,101.473 R37.1@140.843,101.473
NetC39_2: C39.2 U10.14 U11.6 | length 3.9
  Top1 w0.203: U10.14@125.336,111.899 126.618,111.899 C39.2@126.873,111.644 127.243,112.014 U11.6@128.93,112.014
NetC42_1: C42.1 L2.2 U13.23 | length 2.9
  Top1 w0.203: C42.1@138.786,116.194 L2.2@139.929,116.194 140.195,115.928 U13.23@140.195,114.541
NetC50_2: C50.2 U13.14 U14.6 | length 3.9
  Top1 w0.203: U13.14@142.837,111.899 144.119,111.899 C50.2@144.374,111.644 144.744,112.014 U14.6@146.431,112.014
NetC52_1: C52.1 U15.22 | length 2.3
  Top1 w0.203: v1(53.721,185.547) 53.727,185.553 54.718,185.553 U15.22@54.724,185.559
  Bottom4 w0.203: C52.1@52.451,185.547 v1(53.721,185.547)
NetC53_1: C53.1 U15.9 | length 3.2
  Top1 w0.152: v2(57.912,190.754) 57.918,190.748 57.918,189.769 U15.9@57.924,189.763
  Bottom4 w0.152: C53.1@56.388,192.217 56.578,192.217 57.873,190.922 57.873,190.793 v2(57.912,190.754)
NetC54_1: C54.1 U15.6 | length 2.9
  Top1 w0.152: U15.6@59.424,189.763 59.43,189.769 59.43,190.748 v2(59.436,190.754)
  Bottom4 w0.152: v2(59.436,190.754) 60.325,191.643 60.325,192.09 C54.1@60.452,192.217
NetC55_1: C55.1 U15.45 | length 2.5
  Top1 w0.203: U15.45@62.624,185.559 62.649,185.584 63.156,185.584 v2(63.627,186.055)
  Bottom4 w0.203: v2(63.627,186.055) 63.627,186.096 63.881,186.35 64.303,186.35 C55.1@64.643,186.69
NetC60_1: C60.1 U16.22 | length 2.3
  Top1 w0.152: v2(78.74,185.547) 78.746,185.553 79.737,185.553 U16.22@79.743,185.559
  Bottom4 w0.152: C60.1@77.47,185.547 v2(78.74,185.547)
NetC61_1: C61.1 U16.9 | length 3.2
  Top1 w0.152: v2(82.931,190.627) 82.937,190.621 82.937,189.769 U16.9@82.943,189.763
  Bottom4 w0.152: C61.1@81.407,192.217 81.597,192.217 82.892,190.922 82.892,190.666 v2(82.931,190.627)
NetC62_1: C62.1 U16.6 | length 2.9
  Top1 w0.152: U16.6@84.443,189.763 84.449,189.769 84.449,190.748 v2(84.455,190.754)
  Bottom4 w0.152: v2(84.455,190.754) 85.344,191.643 85.344,192.09 C62.1@85.471,192.217
NetC63_1: C63.1 U16.45 | length 2.6
  Top1 w0.152: U16.45@87.643,185.559 88.277,185.559 v2(88.519,185.801)
  Bottom4 w0.152: v2(88.519,185.801) 88.9,186.182 89.294,186.182 89.662,186.55 C63.1@89.662,186.69
NetC89_1: C89.1 U17.22 | length 2.3
  Top1 w0.203: v2(106.934,185.547) 106.94,185.553 108.058,185.553 U17.22@108.064,185.559
  Bottom4 w0.203: C89.1@105.791,185.547 v2(106.934,185.547)
NetC90_1: C90.1 U17.9 | length 3.2
  Top1 w0.152: v2(111.252,190.627) 111.258,190.621 111.258,189.769 U17.9@111.264,189.763
  Bottom4 w0.152: C90.1@109.728,192.217 109.918,192.217 111.213,190.922 111.213,190.666 v2(111.252,190.627)
NetC91_1: C91.1 U17.6 | length 2.9
  Top1 w0.152: U17.6@112.764,189.763 112.77,189.769 112.77,190.621 v2(112.776,190.627)
  Bottom4 w0.152: v2(112.776,190.627) 113.782,191.633 113.782,192.207 C91.1@113.792,192.217
NetC92_1: C92.1 U17.45 | length 2.5
  Top1 w0.203: U17.45@115.964,185.559 115.989,185.584 116.496,185.584 v2(116.84,185.928)
  Bottom4 w0.203: v2(116.84,185.928) 117.348,186.436 117.729,186.436 C92.1@117.983,186.69
NetC123_1: C123.1 U18.22 | length 2.3
  Top1 w0.203: v2(135.128,185.547) 135.134,185.553 136.313,185.553 U18.22@136.319,185.559
  Bottom4 w0.203: C123.1@134.046,185.547 v2(135.128,185.547)
NetC124_1: C124.1 U18.9 | length 3.2
  Top1 w0.152: U18.9@139.519,189.763 139.536,189.781 139.536,190.756 v2(139.554,190.773)
  Bottom4 w0.152: C124.1@137.983,192.217 138.174,192.217 138.542,191.849 139.515,190.876 139.515,190.812 v2(139.554,190.773)
NetC127_1: C127.1 U18.6 | length 2.9
  Top1 w0.152: v2(140.97,190.754) 140.995,190.729 140.995,189.788 U18.6@141.019,189.763
  Bottom4 w0.152: v2(140.97,190.754) 141.859,191.643 141.859,192.029 C127.1@142.047,192.217
NetC128_1: C128.1 U18.45 | length 2.5
  Top1 w0.203: U18.45@144.219,185.559 144.244,185.584 144.817,185.584 v2(145.161,185.928)
  Bottom4 w0.203: v2(145.161,185.928) 145.669,186.436 145.984,186.436 C128.1@146.238,186.69
NetC130_1: C130.1 PX1.2 R61.1 U25.1 | length 7.8
  Top1 w0.152: U25.1@29.972,207.137 v2(31.75,207.137) 31.75,209.8 31.115,210.435 PX1.2@31.115,210.566
  Bottom4 w0.152: v2(31.75,207.137) 31.75,207.082 31.877,206.955 R61.1@31.877,206.419 33.376,206.419 C130.1@33.401,206.444
NetC130_2: C130.2 R61.2 R65.1 U25.4 | length 7.2
  Top1 w0.152: U25.4@29.972,203.327 U25.4@30.651,203.327 ; R65.1@31.242,201.676 31.068,201.85 31.068,202.91 U25.4@30.651,203.327 ; v2(32.639,205.486) 32.631,205.478 32.631,205.224 30.734,203.327 U25.4@30.651,203.327
  Bottom4 w0.152: R61.2@31.877,205.569 31.96,205.486 v2(32.639,205.486) 33.343,205.486 C130.2@33.401,205.544
NetC131_1: C131.1 PY1.2 R62.1 U26.1 | length 7.8
  Top1 w0.152: U26.1@63.5,207.137 v2(65.278,207.137) 65.278,209.8 64.643,210.435 PY1.2@64.643,210.566
  Bottom4 w0.152: v2(65.278,207.137) 65.278,207.082 65.405,206.955 R62.1@65.405,206.419 66.904,206.419 C131.1@66.929,206.444
NetC131_2: C131.2 R62.2 R66.1 U26.4 | length 6.4
  Top1 w0.152: R66.1@64.77,201.676 64.77,202.857 64.3,203.327 64.262,203.327 66.159,205.224 66.159,205.478 v2(66.167,205.486)
  Bottom4 w0.152: R62.2@65.405,205.569 65.488,205.486 v2(66.167,205.486) 66.871,205.486 C131.2@66.929,205.544
NetC132_1: C132.1 PZ1.2 R63.1 U27.1 | length 7.8
  Top1 w0.152: U27.1@97.028,207.137 v2(98.806,207.137) 98.806,209.8 98.171,210.435 PZ1.2@98.171,210.566
  Bottom4 w0.152: v2(98.806,207.137) 98.806,207.082 98.933,206.955 R63.1@98.933,206.419 100.432,206.419 C132.1@100.457,206.444
NetC132_2: C132.2 R63.2 R67.1 U27.4 | length 7.1
  Top1 w0.152: U27.4@97.028,203.327 U27.4@97.707,203.327 ; R67.1@98.298,201.676 98.124,201.85 98.124,202.91 U27.4@97.707,203.327 ; v2(99.695,205.486) 99.656,205.447 99.656,205.276 U27.4@97.707,203.327
  Bottom4 w0.152: R63.2@98.933,205.569 99.016,205.486 v2(99.695,205.486) 100.399,205.486 C132.2@100.457,205.544
NetC133_1: C133.1 PW1.2 R64.1 U28.1 | length 7.8
  Top1 w0.152: U28.1@130.556,207.137 v2(132.334,207.137) 132.334,209.8 131.699,210.435 PW1.2@131.699,210.566
  Bottom4 w0.152: v2(132.334,207.137) 132.334,207.082 132.461,206.955 R64.1@132.461,206.419 133.96,206.419 C133.1@133.985,206.444
NetC133_2: C133.2 R64.2 R68.1 U28.4 | length 7.9
  Top1 w0.152: R68.1@131.826,201.676 131.826,202.857 131.356,203.327 U28.4@130.556,203.327 131.318,203.327 133.215,205.224 133.215,205.478 v2(133.223,205.486)
  Bottom4 w0.152: R64.2@132.461,205.569 132.544,205.486 v2(133.223,205.486) 133.927,205.486 C133.2@133.985,205.544
NetC146_1: C146.1 PX2.2 R73.1 U29.1 | length 7.8
  Top1 w0.152: U29.1@38.354,207.137 v2(40.132,207.137) 40.132,209.8 39.497,210.435 PX2.2@39.497,210.566
  Bottom4 w0.152: v2(40.132,207.137) 40.132,207.082 40.259,206.955 R73.1@40.259,206.419 41.758,206.419 C146.1@41.783,206.444
NetC146_2: C146.2 R73.2 R77.1 U29.4 | length 7.2
  Top1 w0.152: U29.4@38.354,203.327 U29.4@39.033,203.327 ; R77.1@39.624,201.676 39.45,201.85 39.45,202.91 U29.4@39.033,203.327 ; v2(41.021,205.486) 40.982,205.447 40.982,205.155 39.154,203.327 U29.4@39.033,203.327
  Bottom4 w0.152: R73.2@40.259,205.569 40.342,205.486 v2(41.021,205.486) 41.725,205.486 C146.2@41.783,205.544
NetC147_1: C147.1 PY2.2 R74.1 U30.1 | length 7.8
  Top1 w0.152: U30.1@71.882,207.137 v2(73.66,207.137) 73.66,209.8 73.025,210.435 PY2.2@73.025,210.566
  Bottom4 w0.152: v2(73.66,207.137) 73.66,207.082 73.787,206.955 R74.1@73.787,206.419 75.286,206.419 C147.1@75.311,206.444
NetC147_2: C147.2 R74.2 R78.1 U30.4 | length 6.6
  Top1 w0.152: U30.4@72.517,203.327 U30.4@72.682,203.327 ; R78.1@73.152,201.676 73.152,202.857 U30.4@72.682,203.327 ; v2(74.549,205.486) 74.549,205.105 72.771,203.327 U30.4@72.682,203.327
  Bottom4 w0.152: R74.2@73.787,205.569 73.87,205.486 v2(74.549,205.486) 75.253,205.486 C147.2@75.311,205.544
NetC148_1: C148.1 PZ2.2 R75.1 U31.1 | length 7.8
  Top1 w0.152: U31.1@105.41,207.137 v2(107.188,207.137) 107.188,209.8 106.553,210.435 PZ2.2@106.553,210.566
  Bottom4 w0.152: v2(107.188,207.137) 107.188,207.082 107.315,206.955 R75.1@107.315,206.419 108.814,206.419 C148.1@108.839,206.444
NetC148_2: C148.2 R75.2 R79.1 U31.4 | length 7.1
  Top1 w0.152: U31.4@105.41,203.327 106.089,203.327 106.349,203.587 106.349,203.631 108.038,205.32 108.038,205.447 v2(108.077,205.486) ; U31.4@106.299,203.327 106.299,203.238 106.68,202.857 R79.1@106.68,201.676
  Bottom4 w0.152: R75.2@107.315,205.569 107.398,205.486 v2(108.077,205.486) 108.781,205.486 C148.2@108.839,205.544
NetC149_1: C149.1 PW2.2 R76.1 U32.1 | length 7.8
  Top1 w0.152: U32.1@138.938,207.137 v2(140.716,207.137) 140.716,209.8 140.081,210.435 PW2.2@140.081,210.566
  Bottom4 w0.152: v2(140.716,207.137) 140.716,207.082 140.843,206.955 R76.1@140.843,206.419 142.342,206.419 C149.1@142.367,206.444
NetC149_2: C149.2 R76.2 R80.1 U32.4 | length 7.8
  Top1 w0.152: U32.4@139.658,203.285 140.034,202.91 140.034,201.85 R80.1@140.208,201.676 ; U32.4@139.7,203.327 U32.4@139.617,203.327 ; v2(141.605,205.486) 141.566,205.447 141.566,205.32 139.877,203.631 139.877,203.587 U32.4@139.617,203.327 ; U32.4@139.617,203.327 U32.4@138.938,203.327 U32.4@139.617,203.327
  Bottom4 w0.152: R76.2@140.843,205.569 140.926,205.486 v2(141.605,205.486) 142.309,205.486 C149.2@142.367,205.544
NetC162_1: C162.1 PX3.2 R85.1 U33.1 | length 7.8
  Top1 w0.152: U33.1@46.736,207.137 v2(48.514,207.137) 48.514,209.8 47.879,210.435 PX3.2@47.879,210.566
  Bottom4 w0.152: v2(48.514,207.137) 48.514,207.082 48.641,206.955 R85.1@48.641,206.419 50.14,206.419 C162.1@50.165,206.444
NetC162_2: C162.2 R85.2 R89.1 U33.4 | length 7.2
  Top1 w0.152: U33.4@46.736,203.327 U33.4@47.415,203.327 ; R89.1@48.006,201.676 47.832,201.85 47.832,202.91 U33.4@47.415,203.327 ; v2(49.403,205.486) 49.395,205.478 49.395,205.224 47.498,203.327 U33.4@47.415,203.327
  Bottom4 w0.152: R85.2@48.641,205.569 48.724,205.486 v2(49.403,205.486) 50.107,205.486 C162.2@50.165,205.544
NetC163_1: C163.1 PY3.2 R86.1 U34.1 | length 7.8
  Top1 w0.152: U34.1@80.264,207.137 v2(82.042,207.137) 82.042,209.8 81.407,210.435 PY3.2@81.407,210.566
  Bottom4 w0.152: v2(82.042,207.137) 82.042,207.082 82.169,206.955 R86.1@82.169,206.419 83.668,206.419 C163.1@83.693,206.444
NetC163_2: C163.2 R86.2 R90.1 U34.4 | length 7.2
  Top1 w0.152: U34.4@80.264,203.327 U34.4@80.943,203.327 ; R90.1@81.534,201.676 81.36,201.85 81.36,202.91 U34.4@80.943,203.327 ; v2(82.931,205.486) 82.923,205.478 82.923,205.224 81.026,203.327 U34.4@80.943,203.327
  Bottom4 w0.152: R86.2@82.169,205.569 82.252,205.486 v2(82.931,205.486) 83.635,205.486 C163.2@83.693,205.544
NetC164_1: C164.1 PZ3.2 R87.1 U35.1 | length 7.8
  Top1 w0.152: U35.1@113.792,207.137 v2(115.57,207.137) 115.57,209.8 114.935,210.435 PZ3.2@114.935,210.566
  Bottom4 w0.152: v2(115.57,207.137) 115.57,207.082 115.697,206.955 R87.1@115.697,206.419 117.196,206.419 C164.1@117.221,206.444
NetC164_2: C164.2 R87.2 R91.1 U35.4 | length 7.1
  Top1 w0.152: U35.4@113.792,203.327 114.461,203.327 114.667,203.534 114.667,203.694 v2(116.459,205.486) ; U35.4@114.554,203.327 114.592,203.327 115.062,202.857 R91.1@115.062,201.676
  Bottom4 w0.152: R87.2@115.697,205.569 115.78,205.486 v2(116.459,205.486) 117.163,205.486 C164.2@117.221,205.544
NetC165_1: C165.1 PW3.2 R88.1 U36.1 | length 7.8
  Top1 w0.152: U36.1@147.32,207.137 v2(149.098,207.137) 149.098,209.8 148.463,210.435 PW3.2@148.463,210.566
  Bottom4 w0.152: v2(149.098,207.137) 149.098,207.082 149.225,206.955 R88.1@149.225,206.419 150.724,206.419 C165.1@150.749,206.444
NetC165_2: C165.2 R88.2 R92.1 U36.4 | length 7
  Top1 w0.152: U36.4@147.32,203.327 147.989,203.327 148.195,203.534 148.195,203.694 v2(149.987,205.486) ; U36.4@148.209,203.327 148.209,203.238 148.59,202.857 R92.1@148.59,201.676
  Bottom4 w0.152: R88.2@149.225,205.569 149.308,205.486 v2(149.987,205.486) 150.691,205.486 C165.2@150.749,205.544
NetC178_1: C178.1 PX4.2 R97.1 U37.1 | length 7.8
  Top1 w0.152: U37.1@55.118,207.137 v2(56.896,207.137) 56.896,209.8 56.261,210.435 PX4.2@56.261,210.566
  Bottom4 w0.152: v2(56.896,207.137) 56.896,207.082 57.023,206.955 R97.1@57.023,206.419 58.522,206.419 C178.1@58.547,206.444
NetC178_2: C178.2 R97.2 R101.1 U37.4 | length 6.4
  Top1 w0.152: R101.1@56.388,201.676 56.388,202.857 55.918,203.327 55.868,203.327 57.746,205.205 57.746,205.447 v2(57.785,205.486)
  Bottom4 w0.152: R97.2@57.023,205.569 57.106,205.486 v2(57.785,205.486) 58.489,205.486 C178.2@58.547,205.544
NetC179_1: C179.1 PY4.2 R98.1 U38.1 | length 7.8
  Top1 w0.152: U38.1@88.646,207.137 v2(90.424,207.137) 90.424,209.8 89.789,210.435 PY4.2@89.789,210.566
  Bottom4 w0.152: v2(90.424,207.137) 90.424,207.082 90.551,206.955 R98.1@90.551,206.419 92.05,206.419 C179.1@92.075,206.444
NetC179_2: C179.2 R98.2 R102.1 U38.4 | length 7.9
  Top1 w0.152: R102.1@89.916,201.676 89.742,201.85 89.742,202.91 89.325,203.327 U38.4@88.646,203.327 89.408,203.327 91.305,205.224 91.305,205.478 v2(91.313,205.486)
  Bottom4 w0.152: R98.2@90.551,205.569 90.634,205.486 v2(91.313,205.486) 92.017,205.486 C179.2@92.075,205.544
NetC180_1: C180.1 PZ4.2 R99.1 U39.1 | length 7.8
  Top1 w0.152: U39.1@122.174,207.137 v2(123.952,207.137) 123.952,209.8 123.317,210.435 PZ4.2@123.317,210.566
  Bottom4 w0.152: v2(123.952,207.137) 123.952,207.082 124.079,206.955 R99.1@124.079,206.419 125.578,206.419 C180.1@125.603,206.444
NetC180_2: C180.2 R99.2 R103.1 U39.4 | length 7.1
  Top1 w0.152: U39.4@122.174,203.327 122.843,203.327 123.049,203.534 123.049,203.694 v2(124.841,205.486) ; U39.4@122.974,203.327 123.444,202.857 R103.1@123.444,201.676
  Bottom4 w0.152: R99.2@124.079,205.569 124.162,205.486 v2(124.841,205.486) 125.545,205.486 C180.2@125.603,205.544
NetC181_1: C181.1 PW4.2 R100.1 U40.1 | length 7.8
  Top1 w0.152: U40.1@155.702,207.137 v2(157.48,207.137) 157.48,209.8 156.845,210.435 PW4.2@156.845,210.566
  Bottom4 w0.152: v2(157.48,207.137) 157.48,207.082 157.607,206.955 R100.1@157.607,206.419 159.106,206.419 C181.1@159.131,206.444
NetC181_2: C181.2 R100.2 R104.1 U40.4 | length 8.3
  Top1 w0.152: R104.1@156.972,201.676 156.798,201.85 156.798,202.91 156.381,203.327 U40.4@155.702,203.327 157.226,203.327 157.963,204.064 157.963,205.08 v2(158.369,205.486)
  Bottom4 w0.152: R100.2@157.607,205.569 157.69,205.486 v2(158.369,205.486) 159.073,205.486 C181.2@159.131,205.544
NetC194_1: C194.1 P9.2 R109.1 U41.1 | length 7.8
  Top1 w0.152: U41.1@164.084,207.137 v2(165.862,207.137) 165.862,209.8 165.227,210.435 P9.2@165.227,210.566
  Bottom4 w0.152: v2(165.862,207.137) 165.862,207.082 165.989,206.955 R109.1@165.989,206.419 167.488,206.419 C194.1@167.513,206.444